# Altium PCB precursor_pvt2b.PcbDoc (part 2 of 7)
Units mm, origin at the board's own origin, x right, y up, seen from the top; angles counter-clockwise.
Board outline 62.8 x 62.65 mm, 6 copper layers (L1, L2, L3, L6, L7, L8), stack 0.693 mm thick; 424 components, 311 nets, 2038 pads, 2293 vias.
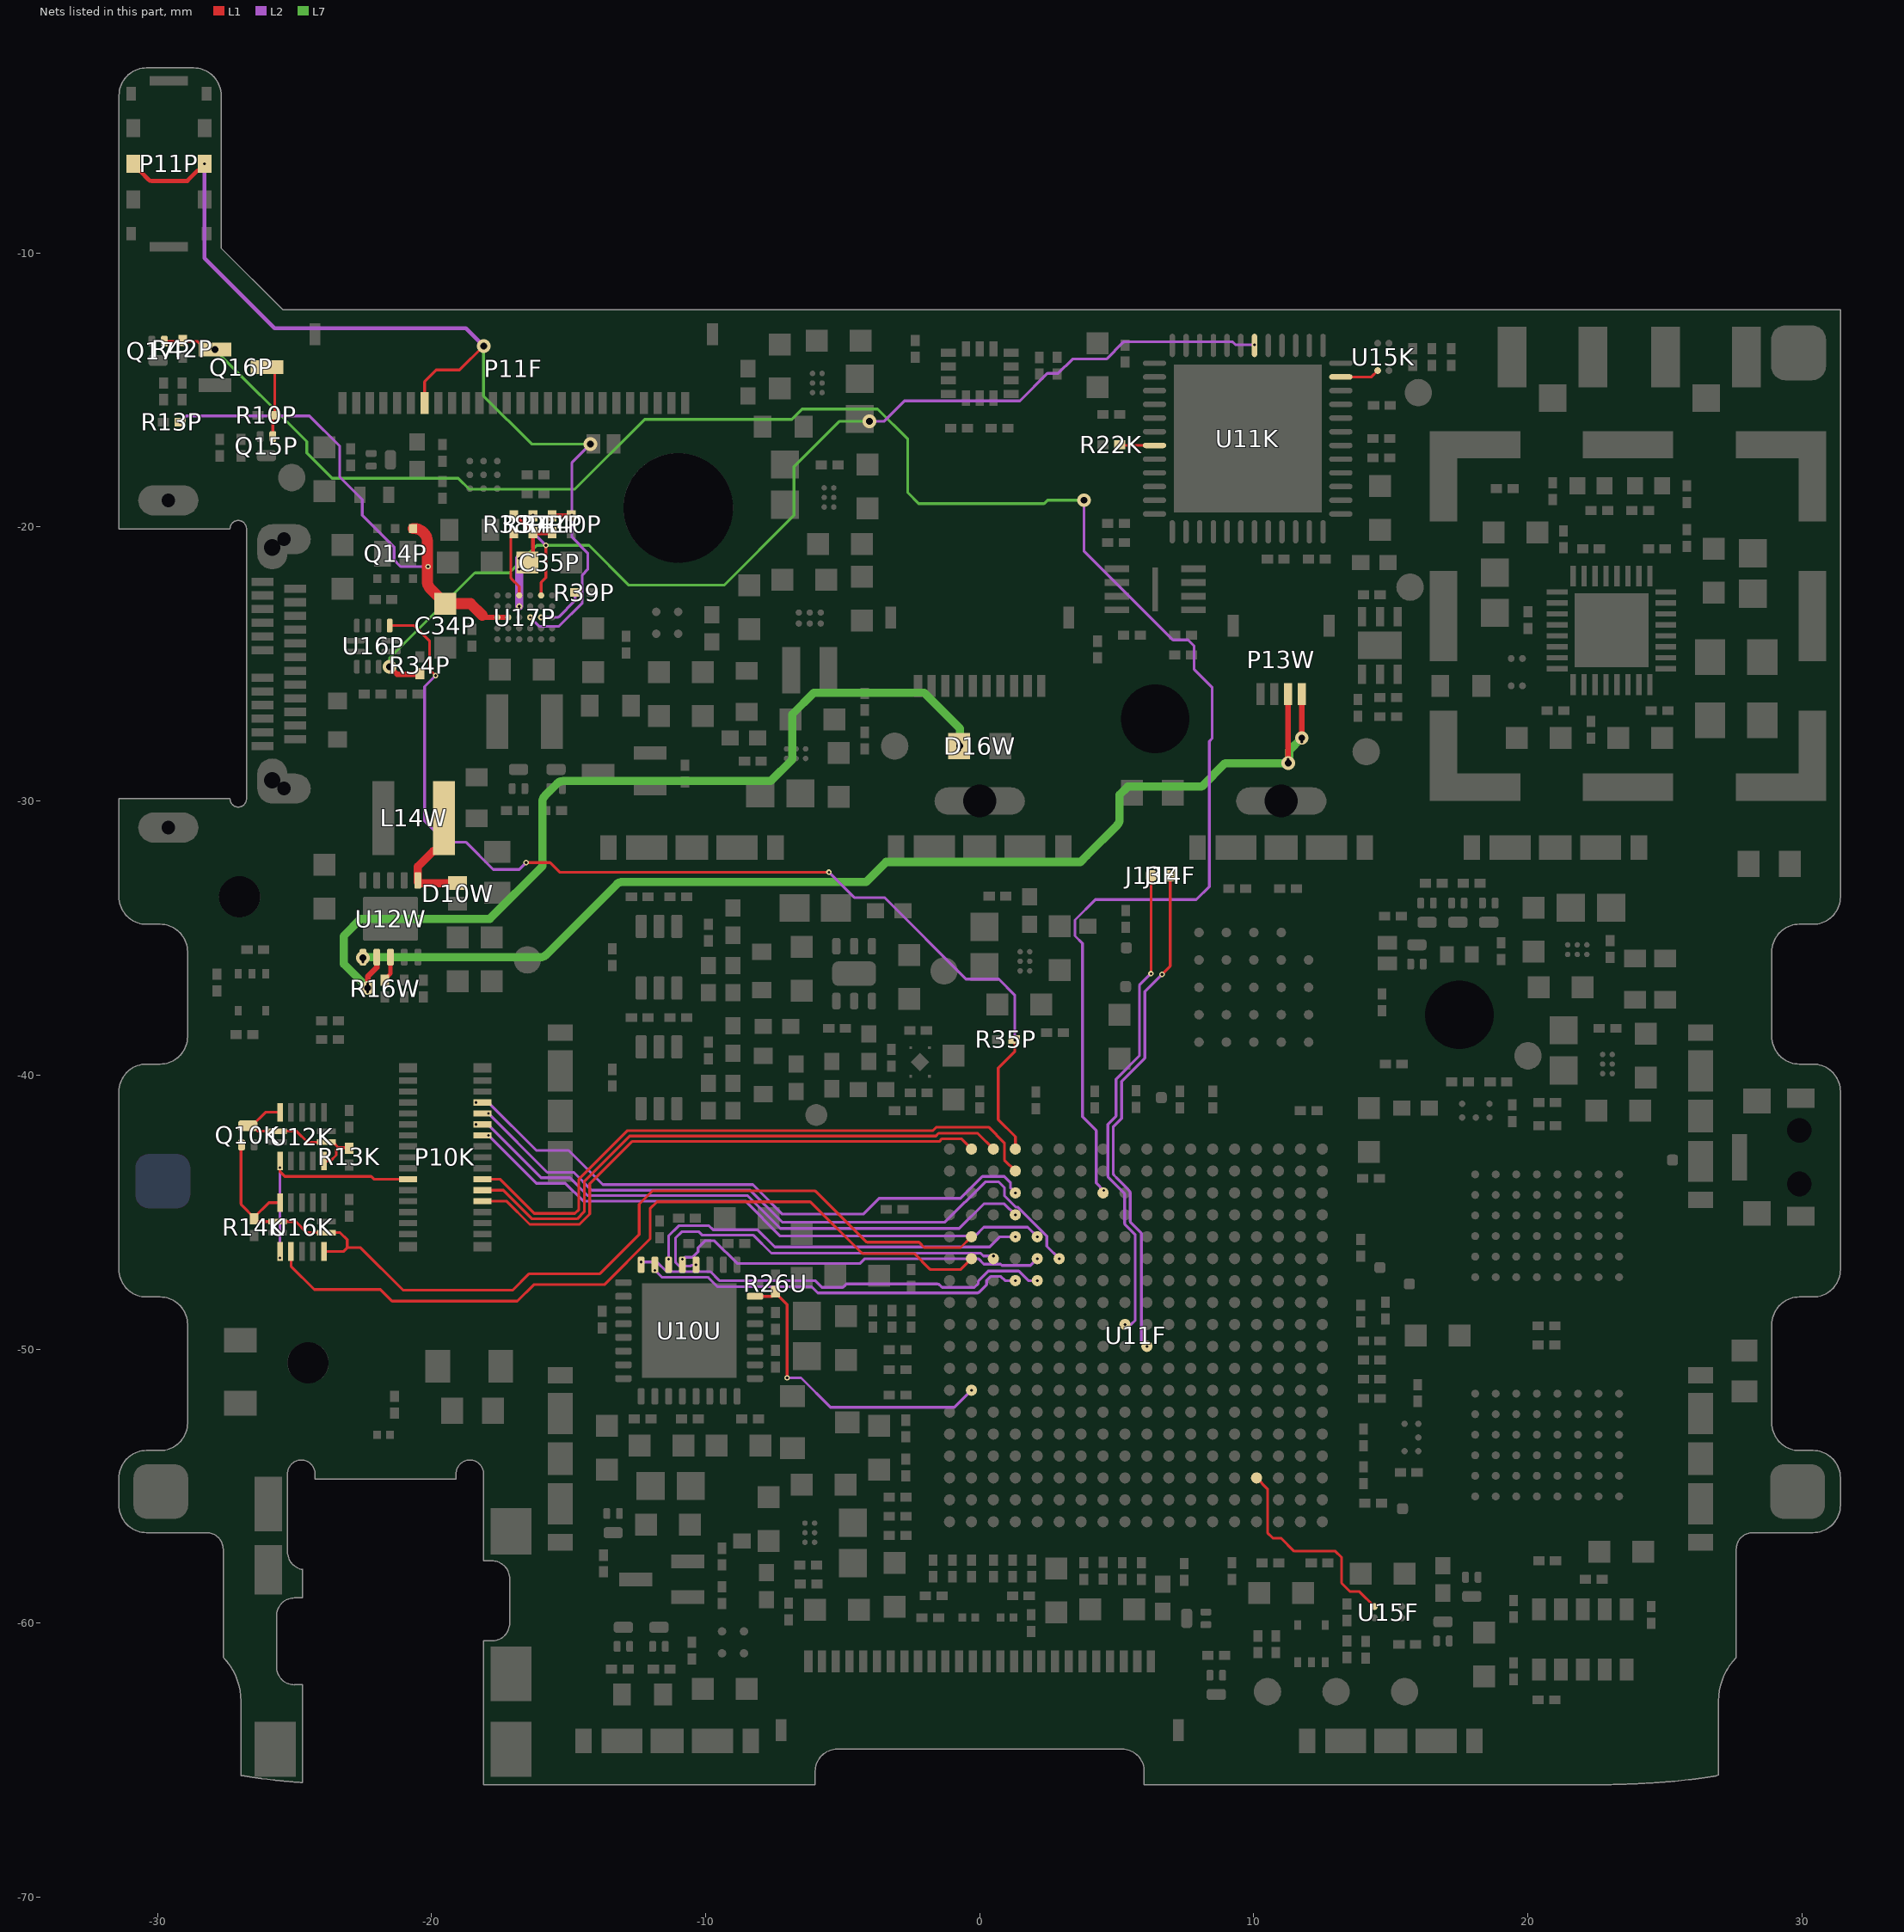
[diagram p6: the nets of this part, all layers, seen from the top]

## Footprints (in the part's own frame and the unit in brackets; to place one, negate y for a bottom-side part, rotate by r counter-clockwise, add the part's x,y. Pads: shape width x height; smd on the part's side, far side on the other; paste and mask are expansions set on the pad) (continued)
BGA324C80P18X18_1500X1500X150 [mm] "BGA, 324-Leads, Body 15.00x15.00mmx1.50mm, Pitch 0.80mm"
  round 0.41 smd: A1(-6.8,6.8) A2(-6,6.8) A3(-5.2,6.8) A4(-4.4,6.8) A5(-3.6,6.8) A6(-2.8,6.8) A7(-2,6.8) A8(-1.2,6.8) A9(-0.4,6.8) A10(0.4,6.8) A11(1.2,6.8) A12(2,6.8) A13(2.8,6.8) A14(3.6,6.8) A15(4.4,6.8) A16(5.2,6.8) A17(6,6.8) A18(6.8,6.8) B1(-6.8,6) B2(-6,6) B3(-5.2,6) B4(-4.4,6) B5(-3.6,6) B6(-2.8,6) B7(-2,6) B8(-1.2,6) B9(-0.4,6) B10(0.4,6) B11(1.2,6) B12(2,6) B13(2.8,6) B14(3.6,6) B15(4.4,6) B16(5.2,6) B17(6,6) B18(6.8,6) C1(-6.8,5.2) C2(-6,5.2) C3(-5.2,5.2) C4(-4.4,5.2) C5(-3.6,5.2) C6(-2.8,5.2) C7(-2,5.2) C8(-1.2,5.2) C9(-0.4,5.2) C10(0.4,5.2) C11(1.2,5.2) C12(2,5.2) C13(2.8,5.2) C14(3.6,5.2) C15(4.4,5.2) C16(5.2,5.2) C17(6,5.2) C18(6.8,5.2) D1(-6.8,4.4) D2(-6,4.4) D3(-5.2,4.4) D4(-4.4,4.4) D5(-3.6,4.4) D6(-2.8,4.4) D7(-2,4.4) D8(-1.2,4.4) D9(-0.4,4.4) D10(0.4,4.4) D11(1.2,4.4) D12(2,4.4) D13(2.8,4.4) D14(3.6,4.4) D15(4.4,4.4) D16(5.2,4.4) D17(6,4.4) D18(6.8,4.4) E1(-6.8,3.6) E2(-6,3.6) E3(-5.2,3.6) E4(-4.4,3.6) E5(-3.6,3.6) E6(-2.8,3.6) E7(-2,3.6) E8(-1.2,3.6) E9(-0.4,3.6) E10(0.4,3.6) E11(1.2,3.6) E12(2,3.6) E13(2.8,3.6) E14(3.6,3.6) E15(4.4,3.6) E16(5.2,3.6) E17(6,3.6) E18(6.8,3.6) F1(-6.8,2.8) F2(-6,2.8) F3(-5.2,2.8) F4(-4.4,2.8) F5(-3.6,2.8) F6(-2.8,2.8) F7(-2,2.8) F8(-1.2,2.8) F9(-0.4,2.8) F10(0.4,2.8) F11(1.2,2.8) F12(2,2.8) F13(2.8,2.8) F14(3.6,2.8) F15(4.4,2.8) F16(5.2,2.8) F17(6,2.8) F18(6.8,2.8) G1(-6.8,2) G2(-6,2) G3(-5.2,2) G4(-4.4,2) G5(-3.6,2) G6(-2.8,2) G7(-2,2) G8(-1.2,2) G9(-0.4,2) G10(0.4,2) G11(1.2,2) G12(2,2) G13(2.8,2) G14(3.6,2) G15(4.4,2) G16(5.2,2) G17(6,2) G18(6.8,2) H1(-6.8,1.2) H2(-6,1.2) H3(-5.2,1.2) H4(-4.4,1.2) H5(-3.6,1.2) H6(-2.8,1.2) H7(-2,1.2) H8(-1.2,1.2) H9(-0.4,1.2) H10(0.4,1.2) H11(1.2,1.2) H12(2,1.2) H13(2.8,1.2) H14(3.6,1.2) H15(4.4,1.2) H16(5.2,1.2) H17(6,1.2) H18(6.8,1.2) J1(-6.8,0.4) J2(-6,0.4) J3(-5.2,0.4) J4(-4.4,0.4) J5(-3.6,0.4) J6(-2.8,0.4) J7(-2,0.4) J8(-1.2,0.4) J9(-0.4,0.4) J10(0.4,0.4) J11(1.2,0.4) J12(2,0.4) J13(2.8,0.4) J14(3.6,0.4) J15(4.4,0.4) J16(5.2,0.4) J17(6,0.4) J18(6.8,0.4) K1(-6.8,-0.4) K2(-6,-0.4) K3(-5.2,-0.4) K4(-4.4,-0.4) K5(-3.6,-0.4) K6(-2.8,-0.4) K7(-2,-0.4) K8(-1.2,-0.4) K9(-0.4,-0.4) K10(0.4,-0.4) K11(1.2,-0.4) K12(2,-0.4) K13(2.8,-0.4) K14(3.6,-0.4) K15(4.4,-0.4) K16(5.2,-0.4) K17(6,-0.4) K18(6.8,-0.4) L1(-6.8,-1.2) L2(-6,-1.2) L3(-5.2,-1.2) L4(-4.4,-1.2) L5(-3.6,-1.2) L6(-2.8,-1.2) L7(-2,-1.2) L8(-1.2,-1.2) L9(-0.4,-1.2) L10(0.4,-1.2) L11(1.2,-1.2) L12(2,-1.2) L13(2.8,-1.2) L14(3.6,-1.2) L15(4.4,-1.2) L16(5.2,-1.2) L17(6,-1.2) L18(6.8,-1.2) M1(-6.8,-2) M2(-6,-2) M3(-5.2,-2) M4(-4.4,-2) M5(-3.6,-2) M6(-2.8,-2) M7(-2,-2) M8(-1.2,-2) M9(-0.4,-2) M10(0.4,-2) M11(1.2,-2) M12(2,-2) M13(2.8,-2) M14(3.6,-2) M15(4.4,-2) M16(5.2,-2) M17(6,-2) M18(6.8,-2) N1(-6.8,-2.8) N2(-6,-2.8) N3(-5.2,-2.8) N4(-4.4,-2.8) N5(-3.6,-2.8) N6(-2.8,-2.8) N7(-2,-2.8) N8(-1.2,-2.8) N9(-0.4,-2.8) N10(0.4,-2.8) N11(1.2,-2.8) N12(2,-2.8) N13(2.8,-2.8) N14(3.6,-2.8) N15(4.4,-2.8) N16(5.2,-2.8) N17(6,-2.8) N18(6.8,-2.8) P1(-6.8,-3.6) P2(-6,-3.6) P3(-5.2,-3.6) P4(-4.4,-3.6) P5(-3.6,-3.6) P6(-2.8,-3.6) P7(-2,-3.6) P8(-1.2,-3.6) P9(-0.4,-3.6) P10(0.4,-3.6) P11(1.2,-3.6) P12(2,-3.6) P13(2.8,-3.6) P14(3.6,-3.6) P15(4.4,-3.6) P16(5.2,-3.6) P17(6,-3.6) P18(6.8,-3.6) R1(-6.8,-4.4) R2(-6,-4.4) R3(-5.2,-4.4) R4(-4.4,-4.4) R5(-3.6,-4.4) R6(-2.8,-4.4) R7(-2,-4.4) R8(-1.2,-4.4) R9(-0.4,-4.4) R10(0.4,-4.4) R11(1.2,-4.4) R12(2,-4.4) R13(2.8,-4.4) R14(3.6,-4.4) R15(4.4,-4.4) R16(5.2,-4.4) R17(6,-4.4) R18(6.8,-4.4) T1(-6.8,-5.2) T2(-6,-5.2) T3(-5.2,-5.2) T4(-4.4,-5.2) T5(-3.6,-5.2) T6(-2.8,-5.2) T7(-2,-5.2) T8(-1.2,-5.2) T9(-0.4,-5.2) T10(0.4,-5.2) T11(1.2,-5.2) T12(2,-5.2) T13(2.8,-5.2) T14(3.6,-5.2) T15(4.4,-5.2) T16(5.2,-5.2) T17(6,-5.2) T18(6.8,-5.2) U1(-6.8,-6) U2(-6,-6) U3(-5.2,-6) U4(-4.4,-6) U5(-3.6,-6) U6(-2.8,-6) U7(-2,-6) U8(-1.2,-6) U9(-0.4,-6) U10(0.4,-6) U11(1.2,-6) U12(2,-6) U13(2.8,-6) U14(3.6,-6) U15(4.4,-6) U16(5.2,-6) U17(6,-6) U18(6.8,-6) V1(-6.8,-6.8) V2(-6,-6.8) V3(-5.2,-6.8) V4(-4.4,-6.8) V5(-3.6,-6.8) V6(-2.8,-6.8) V7(-2,-6.8) V8(-1.2,-6.8) V9(-0.4,-6.8) V10(0.4,-6.8) V11(1.2,-6.8) V12(2,-6.8) V13(2.8,-6.8) V14(3.6,-6.8) V15(4.4,-6.8) V16(5.2,-6.8) V17(6,-6.8) V18(6.8,-6.8)
  silkscreen extent -8.27,-7.5 7.5,7.5, body extent -7.5,-7.5 7.5,7.5, height 1.5
CK_KMS221GPLFS [mm] "RA tact switch gull wing with pegs"
  round 0.8 hole 0.9 unplated mask+0.07: 0(-0.975,0.55) 0(0.975,0.55)
  rect 0.7x1 smd mask+0.07: 1(-2.15,0.5) 5(2.15,0.5)
  rect 0.9x1 smd mask+0.07: 2(-2.05,2.1) 4(2.05,2.1)
  rect 1.7x0.55 smd mask+0.07: 3(0,2.725)
  silkscreen extent -1.25,-0.85 1.25,-0.13, body extent -2.3,-0.85 2.3,2.7, height 1.42
CUI_SJ_43504_SMT_TR_FLIP [mm] "3.5mm mid-mount audio jack, pads pulled back from edge"
  rect 2x1.5 smd: 1(-2.45,4.3) 3(-5.2,4.3) 4(-2.45,-4.3)
  rect 1.8x1 smd: 2(-9,-4.55)
  rect 2x1 smd: 5(-11.4,-4.55)
  rect 1.7x1.5 smd: 6(-10.4,4.3)
  Keep-Out Layer lines w0.1: -9.65,-3.85 ccw(c-9.65,-3.2) -9.007,-3.3 -7.97,-3.3 -7.97,-3.6 ccw(c-7.32,-3.6) -7.32,-4.25 -5.45,-4.25 ccw(c-5.45,-3.6) -4.8,-3.6 -4.8,-3.3 0,-3.3 ; -9.65,-3.85 -12.5,-3.85 cw(c-12.5,-3.35) -12.5,-2.85 -12.3,-2.85 -12.3,2.3 -12.5,2.3 cw(c-12.5,2.8) -12.5,3.3 -9.325,3.3 -9.325,3.6 cw(c-8.675,3.6) -8.675,4.25 -7.05,4.25 cw(c-7.05,3.6) -6.4,3.6 -6.4,3.3 0,3.3
  silkscreen extent -13,-4.38 2,4.38, body extent -12,-4.55 2,4.55, height 3.29
D_X3DFN2_0201 [mm] "Molded Diode, 2-Leads, Body 0.62x0.32mm, IPC Medium Density"
  rect 0.28x0.3 smd paste-1 mask+0: 1(-0.235,0) 2(0.235,0)
  silkscreen extent 0.58,-0.05 0.68,0.05, body extent -0.52,-0.18 0.52,0.18, height 0.45
DCK0006A_N [mm] "SOT23, 6-Leads, Body 2.15x1.4mm, Pitch 0.65mm, IPC Medium Density"
  rrect25% 0.85x0.4 smd: 1(-1.125,0.65) 2(-1.125,0) 3(-1.125,-0.65) 4(1.125,-0.65) 5(1.125,0) 6(1.125,0.65)
  silkscreen extent -1.25,-1.1 0.3,1.53, body extent -1.14,-1 1.14,1, height 0.94
DSC0010A_V [mm] "SON, 10-Leads, Body 3x3mm, Pitch 0.5mm, Thermal Pad 2.0x1.6mm, TI Recommended"
  rrect40% 0.6x0.25 smd: 1(-1.4,1) 2(-1.4,0.5) 3(-1.4,0) 4(-1.4,-0.5) 5(-1.4,-1) 6(1.4,-1) 7(1.4,-0.5) 8(1.4,0) 9(1.4,0.5) 10(1.4,1)
  rrect6% 1.6x2 smd paste-0.825: 11(0,0)
  silkscreen extent -2.26,-1.7 1.7,1.75, body extent -1.55,-1.55 1.55,1.55, height 0.8
HRS_DF40C-30DP-0.4V(51) [mm] "0.4mm Pitch, Board to Board Connector"
  rect 0.35x0.66 smd mask+0.04: 0(-3.26,-1.355) 0(-3.26,1.355) 0(3.26,1.355) 0(3.26,-1.355)
  rect 0.23x0.66 smd mask+0.04: 1(-2.8,-1.355) 2(-2.4,-1.355) 3(-2,-1.355) 4(-1.6,-1.355) 5(-1.2,-1.355) 6(-0.8,-1.355) 7(-0.4,-1.355) 8(0,-1.355) 9(0.4,-1.355) 10(0.8,-1.355) 11(1.2,-1.355) 12(1.6,-1.355) 13(2,-1.355) 14(2.4,-1.355) 15(2.8,-1.355) 16(-2.8,1.355) 17(-2.4,1.355) 18(-2,1.355) 19(-1.6,1.355) 20(-1.2,1.355) 21(-0.8,1.355) 22(-0.4,1.355) 23(0,1.355) 24(0.4,1.355) 25(0.8,1.355) 26(1.2,1.355) 27(1.6,1.355) 28(2,1.355) 29(2.4,1.355) 30(2.8,1.355)
  silkscreen extent -3.75,-1.93 3.75,1.5, body extent -3.76,-1.48 3.76,1.49, height 1.13
HRS_FH34SRJ-4S-0.5SH(50) [mm] "Top/bottom entry, back-lock 0.3mm thick FPC, 4 pins"
  rect 0.4x0.8 smd mask+0.07: 0(-1.75,-2.5) 0(1.75,-2.5)
  rect 0.3x0.8 smd mask+0.07: 1(0.75,0) 2(0.25,0) 3(-0.25,0) 4(-0.75,0)
  silkscreen extent -2,-3.03 2,0.77, body extent -2,-3.02 2,0.78, height 1
HRS_FH34SRJ-10S-0.5SH(50) [mm] "Top/bottom entry, back-lock 0.3mm thick FPC, 10 pins"
  rect 0.4x0.8 smd mask+0.07: 0(-3.25,-2.5) 0(3.25,-2.5)
  rect 0.3x0.8 smd mask+0.07: 1(2.25,0) 2(1.75,0) 3(1.25,0) 4(0.75,0) 5(0.25,0) 6(-0.25,0) 7(-0.75,0) 8(-1.25,0) 9(-1.75,0) 10(-2.25,0)
  silkscreen extent -3.5,-3.03 3.5,0.77, body extent -3.5,-3.02 3.5,0.78, height 1
HRS_FH34SRJ-26S-0.5SH(50) [mm] "Top/bottom entry, back-lock 0.3mm thick FPC, 26 pins"
  rect 0.4x0.8 smd mask+0.07: 0(-7.25,-2.5) 0(7.25,-2.5)
  rect 0.3x0.8 smd mask+0.07: 1(6.25,0) 2(5.75,0) 3(5.25,0) 4(4.75,0) 5(4.25,0) 6(3.75,0) 7(3.25,0) 8(2.75,0) 9(2.25,0) 10(1.75,0) 11(1.25,0) 12(0.75,0) 13(0.25,0) 14(-0.25,0) 15(-0.75,0) 16(-1.25,0) 17(-1.75,0) 18(-2.25,0) 19(-2.75,0) 20(-3.25,0) 21(-3.75,0) 22(-4.25,0) 23(-4.75,0) 24(-5.25,0) 25(-5.75,0) 26(-6.25,0)
  silkscreen extent -7.5,-3.03 7.5,0.77, body extent -7.5,-3.02 7.5,0.78, height 1
HRS_U.FL [mm] "6 GHz U.FL connector (ISM band antennas)"
  rect 1.05x2.2 smd: GND(-1.475,0) GND(1.475,0)
  rect 1x1 smd: SIG(0,-1.5)
  silkscreen extent -1.5,-1.6 1.5,1.5, body extent -1.5,-1.6 1.5,1.5, height 1.24
INDC1608AN [mm] "Chip Inductor, Body 1.6x0.8mm, IPC Medium Density"
  rect 1.1x1 smd: 1(-0.75,0) 2(0.75,0)
  body extent -0.9,-0.5 0.9,0.5, height 1
LGA-14_2500X3000X860_N [mm] "LGA, 14-Leads, Body 3.10x2.60mm, Pitch 0.50mm, IPC Medium Density"
  rect 0.55x0.3 smd: 1(-1.15,0.75) 2(-1.15,0.25) 3(-1.15,-0.25) 4(-1.15,-0.75) 8(1.15,-0.75) 9(1.15,-0.25) 10(1.15,0.25) 11(1.15,0.75)
  rect 0.3x0.55 smd: 5(-0.5,-0.9) 6(0,-0.9) 7(0.5,-0.9) 12(0.5,0.9) 13(0,0.9) 14(-0.5,0.9)
  silkscreen extent -2.12,1.63 -1.88,1.87, body extent -1.55,-1.3 1.55,1.3, height 0.86
ONSC-SOT-23-3-318-08_V [mm] "SOT23, 3-Leads, Body 2.92x1.3mm, Pitch 0.95mm"
  rect 0.9x0.8 smd: 1(-1,0.95) 2(-1,-0.95) 3(1,0)
  silkscreen extent -1.12,-1.46 0.65,2.02, body extent -0.65,-1.46 0.65,1.46, height 1.11
QFN40P160X160X40-12N [mm] "QFN, 12-Leads, Body 1.60x1.60mm, Pitch 0.40mm, IPC Medium Density"
  rrect50% 0.7x0.2 smd mask+0.05: 1(-0.65,0.2) 2(-0.65,-0.2) 7(0.65,-0.2) 8(0.65,0.2)
  rrect50% 0.2x0.5 smd mask+0.05: 3(-0.6,-0.75) 4(-0.2,-0.75) 5(0.2,-0.75) 6(0.6,-0.75) 9(0.6,0.75) 10(0.2,0.75) 11(-0.2,0.75) 12(-0.6,0.75)
  silkscreen extent -1.25,0.7 -1.15,0.8, body extent -0.81,-0.81 0.81,0.81, height 0.4
QFN40P200X200X40-14L [mm] "QFN, 14-Leads, Body 2.00x2.00mm, Pitch 0.40mm, IPC High Density"
  rect 0.2x0.68 smd mask+0.05: 1(-0.8,-0.89) 2(-0.4,-0.89) 3(0,-0.89) 4(0.4,-0.89) 5(0.8,-0.89) 8(0.8,0.89) 9(0.4,0.89) 10(0,0.89) 11(-0.4,0.89) 12(-0.8,0.89)
  rect 0.68x0.2 smd mask+0.05: 6(0.89,-0.2) 7(0.89,0.2) 13(-0.89,0.2) 14(-0.89,-0.2)
  silkscreen extent -1.17,-1.52 -1.08,-1.43, body extent -1,-1 1,1, height 0.4
QFN40P400X400X90_HS-33N [mm] "QFN, 32-Leads, Body 4.00x4.00mm, Pitch 0.40mm, Thermal Pad 2.70x2.70mm, IPC Medium Density"
  rect 0.76x0.2 smd mask+0.06: 1(-1.98,1.4) 2(-1.98,1) 3(-1.98,0.6) 4(-1.98,0.2) 5(-1.98,-0.2) 6(-1.98,-0.6) 7(-1.98,-1) 8(-1.98,-1.4) 17(1.98,-1.4) 18(1.98,-1) 19(1.98,-0.6) 20(1.98,-0.2) 21(1.98,0.2) 22(1.98,0.6) 23(1.98,1) 24(1.98,1.4)
  rect 0.2x0.76 smd mask+0.06: 9(-1.4,-1.98) 10(-1,-1.98) 11(-0.6,-1.98) 12(-0.2,-1.98) 13(0.2,-1.98) 14(0.6,-1.98) 15(1,-1.98) 16(1.4,-1.98) 25(1.4,1.98) 26(1,1.98) 27(0.6,1.98) 28(0.2,1.98) 29(-0.2,1.98) 30(-0.6,1.98) 31(-1,1.98) 32(-1.4,1.98)
  rect 2.7x2.7 smd mask+0.07: 33(0,0)
  silkscreen extent -2.98,-2.2 2.2,2.2, body extent -2.05,-2.05 2.05,2.05, height 0.9
RESTAP-0603 [mm] "0603 Power tap, cut-trace style"
  rect 0.65x0.8 smd: 1(-0.75,0) 1(0.75,0)
  L1 region: -0.5,-0.2 0.5,-0.2 0.5,0.2 -0.5,0.2
  body extent -0.8,-0.4 0.8,0.4, height 0.8
ROHM_VSOF5 [mm] "SOTFL, 5-Leads, Body 1.60x1.60mm, Pitch 0.50mm, IPC Medium Density"
  rect 0.35x0.25 smd mask+0.05: 1(-0.675,0.5) 2(-0.675,0) 3(-0.675,-0.5) 4(0.675,-0.5) 5(0.675,0.5)
  silkscreen extent -0.92,-0.8 0.15,1.35, body extent -0.8,-0.8 0.8,0.8, height 0.6
SiTIME_CSP [mm] "SiTIME CSP"
  round 0.25 smd mask+0.05: 1(-0.205,0.5) 2(-0.205,-0.5) 3(0.205,-0.5) 4(0.205,0.5)
  silkscreen extent -0.58,0.83 -0.48,0.92, body extent -0.42,-0.77 0.42,0.77, height 0.6
SMK_CPB9406-0109E [mm] "SMK P=1.3 H=0.9mm battery connector"
  rect 0.35x1.4 smd mask+0.05: 0(-3.025,0) 0(3.025,0)
  rect 0.5x0.35 smd mask+0.05: 0(-2.55,-1.375) 0(-2.55,1.375) 0(2.55,-1.375) 0(2.55,1.375)
  rect 0.65x0.5 smd mask+0.05: 1(-1.3,1.3) 2(-1.3,-1.3) 3(0,1.3) 4(0,-1.3) 5(1.3,1.3) 6(1.3,-1.3)
  silkscreen extent -3.05,-1.38 3.05,1.38, body extent -3.05,-1.38 3.05,1.38, height 0.9
SOD523 [mm] "SODFL, 2-Leads, Body 0.80x1.60mm, IPC Medium Density"
  rect 0.6x0.7 smd mask+0.07: 1(-0.7,0) 2(0.7,0)
  silkscreen extent 0.95,-0.4 1.25,0.65, body extent -0.8,-0.45 0.8,0.45, height 0.65
SON65P200X80_HS-7N [mm] "SON, 6-Leads, Body 2.00x2.00mm, Pitch 0.65mm, Thermal Pad 1.60x0.89mm, IPC Medium Density"
  rrect50% 0.9x0.7 on Top Paste: 0(0,0.42) 0(0,-0.42)
  rrect50% 0.6x0.3 smd mask+0.07: 1(-1,0.65) 2(-1,0) 3(-1,-0.65) 4(1,-0.65) 5(1,0) 6(1,0.65)
  rrect50% 0.9x1.6 smd paste-0.5 mask+0.07: 7(0,0)
  silkscreen extent -1.5,-1.2 1.05,1.25, body extent -1.13,-1.05 1.13,1.05, height 0.8
SOT323-3AN [mm] "SOT323, 3-Leads, Body 2.0x1.3mm, Pitch 0.65mm, Lead Span 2.1mm, IPC Medium Density"
  rect 1.2x0.5 smd: 1(-0.95,0.65) 2(-0.95,-0.65) 3(0.95,0)
  silkscreen extent -1.07,-1.1 0.7,1.57, body extent -0.7,-1.1 0.7,1.1, height 1
SOT883 [mm] "DFN, 3-Leads, Body 0.59x0.99mm, Pitch 0.65mm, IPC Medium Density"
  rrect50% 0.4x0.25 smd paste-0.02 mask+0.05: 1(-0.35,0.23) 2(-0.35,-0.23)
  rrect50% 0.4x0.7 smd paste-0.05 mask+0.05: 3(0.35,0)
  silkscreen extent -0.56,0.66 -0.46,0.76, body extent -0.51,-0.31 0.51,0.31, height 0.5
TE_1-2295018-2 [mm] "USB-C receptacle 24 position board cutout"
  oval 1.1x1.95 hole 0.5 slot 1.45 at 90 deg mask+0.07: 0(-4.55,4.22) 0(4.55,4.22)
  oval 1.6x1.1 hole 0.6 slot 1.1 at 0 deg mask+0.07: 0(-4.25,3.792) 0(4.25,3.792)
  rect 0.3x0.8 smd mask+0.07: A1(-2.75,4.63) A2(-2.25,4.63) A3(-1.75,4.63) A4(-1.25,4.63) A5(-0.75,4.63) A6(-0.25,4.63) A7(0.25,4.63) A8(0.75,4.63) A9(1.25,4.63) A10(1.75,4.63) A11(2.25,4.63) A12(2.75,4.63) B1(3,3.43) B2(2.5,3.43) B3(2,3.43) B4(1.5,3.43) B5(1,3.43) B6(0.5,3.43) B7(-0.5,3.43) B8(-1,3.43) B9(-1.5,3.43) B10(-2,3.43) B11(-2.5,3.43) B12(-3,3.43)
  oval 1.1x2.2 hole 0.5 slot 1.6 at 90 deg mask+0.07: MID(-5.97,0) MID(5.97,0)
  silkscreen extent -6.07,-3.2 6.07,4.9, body extent -6.07,-3.2 6.07,4.9, height 2.45
TI-DRV6-1600X1000TP_V [mm] "SON, 6-Leads, Body 2x2mm, Pitch 0.65mm, Thermal Pad 1X1.6mm"
  rect 0.7x0.3 smd: 1(-1.05,0.65) 2(-1.05,0) 3(-1.05,-0.65) 4(1.05,-0.65) 5(1.05,0) 6(1.05,0.65)
  rect 1x1.6 smd: 7(0,0)
  silkscreen extent -1.5,-1.05 1.05,1.1, body extent -1,-1 1,1, height 0.8
TI_DQN_X2SON [mm] "TI X2SON 0.4mm height"
  rect 0.1x0.1 smd mask+0.05: 1(-0.52,0.339) 2(-0.52,-0.339) 3(0.52,-0.339) 4(0.52,0.339)
  rect 0.48x0.48 smd rot 135 mask+0.05: EP(0,0)
  L1 region: -0.61,0.43 -0.25,0.43 -0.25,0.4 -0.43,0.22 -0.61,0.22
  L1 region: 0.61,0.43 0.25,0.43 0.25,0.4 0.43,0.22 0.61,0.22
  L1 region: -0.61,-0.43 -0.25,-0.43 -0.25,-0.4 -0.43,-0.22 -0.61,-0.22
  L1 region: 0.61,-0.43 0.25,-0.43 0.25,-0.4 0.43,-0.22 0.61,-0.22
  silkscreen extent -0.87,0.23 -0.45,0.67, body extent -0.5,-0.5 0.5,0.5, height 0.4
TI_VQFN_RHB0032E [mm] "QFN, 32-Leads, Body 5.00x5.00mm, Pitch 0.50mm, Thermal Pad 3.45x3.45mm, IPC High Density"
  rrect50% 0.6x0.25 smd mask+0.07: 1(-2.4,1.75) 2(-2.4,1.25) 3(-2.4,0.75) 4(-2.4,0.25) 5(-2.4,-0.25) 6(-2.4,-0.75) 7(-2.4,-1.25) 8(-2.4,-1.75) 17(2.4,-1.75) 18(2.4,-1.25) 19(2.4,-0.75) 20(2.4,-0.25) 21(2.4,0.25) 22(2.4,0.75) 23(2.4,1.25) 24(2.4,1.75)
  rrect50% 0.25x0.6 smd mask+0.07: 9(-1.75,-2.4) 10(-1.25,-2.4) 11(-0.75,-2.4) 12(-0.25,-2.4) 13(0.25,-2.4) 14(0.75,-2.4) 15(1.25,-2.4) 16(1.75,-2.4) 25(1.75,2.4) 26(1.25,2.4) 27(0.75,2.4) 28(0.25,2.4) 29(-0.25,2.4) 30(-0.75,2.4) 31(-1.25,2.4) 32(-1.75,2.4)
  rect 3.45x3.45 smd mask+0.07: 33(0,0)
  silkscreen extent -3.42,-2.65 2.65,2.65, body extent -2.5,-2.5 2.5,2.5, height 1
TP_0.4x0.4_SMT [mm] "0.4x0.4mm SMT test point"
  rrect50% 0.4x0.4 smd mask+0.05: 1(0,0)
TP_2MM_SQ [mm] "2mm x 2mm square test pad"
  rrect50% 2x2 smd: 1(0,0)
UP5K_QFN127P600-8N [mm]
  oval 0.85x0.2 smd: 1(-3.4,2.75) 2(-3.4,2.25) 3(-3.4,1.75) 4(-3.4,1.25) 5(-3.4,0.75) 6(-3.4,0.25) 7(-3.4,-0.25) 8(-3.4,-0.75) 9(-3.4,-1.25) 10(-3.4,-1.75) 11(-3.4,-2.25) 12(-3.4,-2.75) 25(3.4,-2.75) 26(3.4,-2.25) 27(3.4,-1.75) 28(3.4,-1.25) 29(3.4,-0.75) 30(3.4,-0.25) 31(3.4,0.25) 32(3.4,0.75) 33(3.4,1.25) 34(3.4,1.75) 35(3.4,2.25) 36(3.4,2.75)
  oval 0.2x0.85 smd: 13(-2.75,-3.4) 14(-2.25,-3.4) 15(-1.75,-3.4) 16(-1.25,-3.4) 17(-0.75,-3.4) 18(-0.25,-3.4) 19(0.25,-3.4) 20(0.75,-3.4) 21(1.25,-3.4) 22(1.75,-3.4) 23(2.25,-3.4) 24(2.75,-3.4) 37(2.75,3.4) 38(2.25,3.4) 39(1.75,3.4) 40(1.25,3.4) 41(0.75,3.4) 42(0.25,3.4) 43(-0.25,3.4) 44(-0.75,3.4) 45(-1.25,3.4) 46(-1.75,3.4) 47(-2.25,3.4) 48(-2.75,3.4)
  rect 5.4x5.4 smd: PADDLE(0,0)
  silkscreen extent -4.42,-3.65 3.65,3.65, body extent -3.5,-3.5 3.5,3.5, height 1
USON-8 [mm] "SON, 8-Leads, Body 2.00x3.00mm, Pitch 0.50mm, Thermal Pad 1.60x0.20mm, IPC Medium Density"
  rect 0.9x0.25 smd mask+0.07: 1(-1.395,0.75) 2(-1.395,0.25) 3(-1.395,-0.25) 4(-1.395,-0.75) 5(1.395,-0.75) 6(1.395,-0.25) 7(1.395,0.25) 8(1.395,0.75)
  rect 0.2x1.6 smd mask+0.07: 9(0,0)
  silkscreen extent -2,-1.2 1.55,1.25, body extent -1.55,-1.05 1.55,1.05, height 0.6
VISHAY_MICRO_FOOT_4_BUMP [mm] "BGA, 4-Leads, Body 1.56x1.56mmx0.60mm, Pitch 0.80mm"
  round 0.31 smd mask+0.07: 1(-0.4,0.4) 2(0.4,0.4) 3(0.4,-0.4) 4(-0.4,-0.4)
  silkscreen extent -0.93,0.84 -0.83,0.93, body extent -0.78,-0.78 0.78,0.78, height 0.6
VISHAY_POWERPAK_SC70-6L [mm] "Vishay Powerpak SC70-6L"
  rect 0.3x0.325 smd mask+0.07: 1(-0.65,-0.913) 2(0,-0.913) 3(0.65,-0.913) 4(0.65,0.913) 5(0,0.913) 6(-0.65,0.913)
  rect 0.613x0.95 smd mask+0.07: EP1(-0.466,0) EP2(0.466,0)
  silkscreen extent -1.48,-1.43 -0.5,-0.88, body extent -1,-1 1,1, height 0.75
WURTH_36X021312XS [mm] "EMC shielding cabinet"
  rect 1x3.3 smd mask+0.07: 1(-6.25,-5.58) 1(-6.25,0) 1(-6.25,5.58) 1(6.25,-5.58) 1(6.25,0) 1(6.25,5.58)
  rect 3.3x1 smd mask+0.07: 1(-5.1,-6.73) 1(-5.1,6.73) 1(0,6.73) 1(0,-6.73) 1(5.1,-6.73) 1(5.1,6.73)
  body extent -6.58,-7.06 6.58,7.06, height 2.7
WURTH_36900000 [mm] "EMC Sheilding Cabinet Clip"
  rect 0.6x0.9 smd mask+0.07: 1(-3.05,0) 1(3.05,0)
  rect 1.5x0.9 smd mask+0.07: 1(-1.65,0) 1(1.65,0)
  rect 1.2x0.9 smd mask+0.07: 1(0,0)
  body extent -3.25,-0.41 3.25,0.41, height 1.28
XOSC_3.2_2.5 [mm] "SMT crystal oscillator, 3.2x2.5mm"
  rect 1.3x1.1 smd: 1(-1.15,-0.95) 2(1.15,-0.95) 3(1.15,0.95) 4(-1.15,0.95)
  silkscreen extent -2.4,-2.05 -0.9,-0.7, body extent -1.6,-1.3 1.6,1.2, height 1.1
YZP0005ADAD [mm] "BGA, 5-Balls, Body 1.39x0.89mm, Pitch 0.5mm"
  round 0.23 smd mask+0.05: A1(-0.25,0.5) A2(0.25,0.5) B1(-0.25,0) C1(-0.25,-0.5) C2(0.25,-0.5)
  silkscreen extent -0.6,0.75 -0.5,0.85, body extent -0.45,-0.69 0.45,0.69, height 0.5
